# Altium PCB WAB_1x4_PCB.PcbDoc (part 4 of 5)
Units mil, origin at the board's own origin, x right, y up, seen from the top; angles counter-clockwise.
Board outline 13210.03 x 3810.03 mil, 12 copper layers (Top Layer, Ground Plane 1 (GND), Inner Layer 1, Ground Plane 2 (GND), Inner Layer 2, Power Plane (+3.3V), Power Plane (+12V), Inner Layer 3, Ground Plane 3 (GND), Inner Layer 4, Ground Plane 4 (GND), Bottom Layer), stack 82.8 mil thick; 113 components, 354 nets, 1682 pads, 1796 vias.
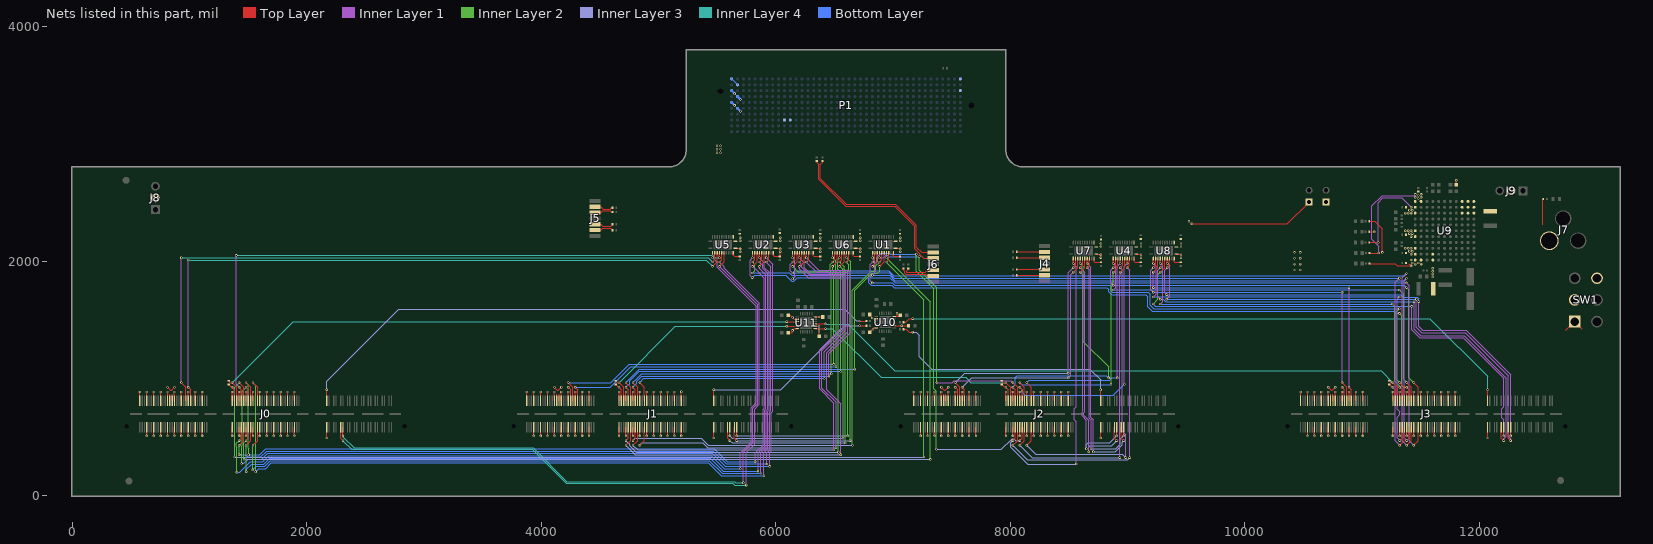
[diagram p14: the nets of this part, all layers, seen from the top]

## Via types
v1: diameter 20, hole 10, Top Layer to Bottom Layer, tented both sides, 1766 vias
v2: diameter 250, hole 125, Top Layer to Bottom Layer, 20 vias
v3: diameter 57.09, hole 53.15, Top Layer to Bottom Layer, 6 vias
v4: diameter 20, hole 10, Top Layer to Bottom Layer, tented bottom, 2 vias
v5: diameter 140, hole 106.3, Top Layer to Bottom Layer, 2 vias

## Nets (pads, with @x,y where several pads share a name; then routed paths per layer and width w, separated by ;. In a path a pad name is that pad's centre, name@x,y a point inside that pad or via, vN(x,y) a via of type N, cw(c..) or ccw(c..) an arc to the next point about the centre after c; other vN are vias at no path point) (continued)
Q0_LED_3: J0.30 U5.19 | length 5823.9
  Top Layer w4.71: v1(2309.45,510) J0.30@2309.45,585.25 ; v1(5520.47,1955.83) 5559.84,1995.2 U5.19@5559.84,2072.09
  Inner Layer 1 w4.16: v1(5520.47,1955.83) 5846.76,1629.54 5846.76,785.95 5805.46,744.64 5805.46,450.46 5725,370 v1(5725,110)
  Inner Layer 4 w4.16: v1(2309.45,510) 2309.45,504.9 2404.35,410 3931.21,410 4220.37,120.85 5650,120.85 5650,120 5660,110 v1(5725,110)
Q0_LED_4: J0.32 U5.18 | length 5898.6
  Top Layer w4.71: J0.32@2289.76,585.25 2289.76,489.69 v1(2309.45,470) ; v1(5520.47,1992.91) 5540.16,2012.6 U5.18@5540.16,2072.09
  Inner Layer 1 w4.16: v1(5520.47,1992.91) 5562.45,1950.94 5562.45,1938.75 5860.91,1640.28 5860.91,780.08 5819.61,738.78 5819.61,439.61 5750,370 v1(5750,90)
  Inner Layer 4 w4.16: v1(2309.45,470) 2384.45,395 3925,395 4214.16,105.85 5635,105.85 5650.85,90 v1(5750,90)
Q0_PLLCLK: C42.2 J0.39 | length 5064
  Top Layer w4.71: J0.39@2171.65,810.75 v1(2171.65,903.35) ; v1(6715,1490) C42.2@6774.25,1490
  Inner Layer 3 w4.16: v1(2171.65,903.35) 2171.65,976.65 2785,1590 6590.85,1590 6687.93,1492.92 6712.08,1492.92 v1(6715,1490)
Q0_PLLCLK_OUT: J0.40 | length 92.6
  Top Layer w4.71: v1(2171.65,492.65) J0.40@2171.65,585.25
Q0_RX_CLK: J0.95 R1.1 U11.3 | length 5241.4
  Top Layer w4.71: R1.1@1334.25,980.75 1350,965 v1(1364.57,965) 1403.94,925.63 J0.95@1403.94,810.75 ; v1(6095,1485) 6095.16,1484.84 U11.3@6183.13,1484.84
  Inner Layer 4 w4.16: v1(1364.57,965) 1884.57,1485 v1(6095,1485)
Q0_RX_CLK_AUX: J0.97 R1.2 | length 162.8
  Top Layer w4.71: R1.2@1334.25,949.25 1358.5,925 v1(1364.57,925) 1384.25,905.32 J0.97@1384.25,810.75
Q0_RX_EN: J0.77 U2.17 | length 7307.7
  Top Layer w4.71: v1(1541.73,965) 1581.1,925.63 J0.77@1581.1,810.75 ; v1(5861.9,2030) U2.17@5861.9,2072.09
  Inner Layer 1 w4.16: v1(5861.9,2030) 5903.88,1988.02 5903.88,1946.12 5945.85,1904.16 5945.85,730.03 5934.61,718.8 5934.61,399.61 5900,365 v1(5900,170)
  Inner Layer 2 w4.16: v1(1541.73,965) 1565,941.73 v1(1565,205)
  Bottom Layer w4.71: v1(1565,205) 1590,230 1650,230 1700,280 5426.86,280 5536.86,170 v1(5900,170)
Q0_SPI_CLK: J0.90 U2.21 | length 6667.5
  Top Layer w4.71: v1(1423.62,430) 1462.99,469.37 J0.90@1462.99,585.25 ; v1(5920.96,1992.91) 5940.64,2012.6 U2.21@5940.64,2072.09
  Inner Layer 1 w4.16: v1(5920.96,1992.91) 5960,1953.87 5960,724.17 5948.77,712.94 5948.77,388.77 5925,365 v1(5925,270.64)
  Inner Layer 2 w4.16: v1(1423.62,350) v1(1423.62,430)
  Bottom Layer w4.71: v1(1423.62,350) 1477.62,350 1496.98,330.64 1608.02,330.64 1658.02,380.64 5468.55,380.64 5578.55,270.64 v1(5925,270.64)
Q0_SPI_FSS: J0.84 U2.19 | length 6796.8
  Top Layer w4.71: v1(1482.68,430) 1522.05,469.37 J0.84@1522.05,585.25 ; v1(5861.9,1955.83) 5901.27,1995.2 U2.19@5901.27,2072.09
  Inner Layer 1 w4.16: v1(5850,210) 5850,365 5906.3,421.3 5906.3,730.53 5917.53,741.76 5917.53,1885 5861.9,1940.63 v1(5861.9,1955.83)
  Inner Layer 2 w4.16: v1(1482.68,430) 1485,427.68 v1(1485,205)
  Bottom Layer w4.71: v1(1485,205) 1485,225 1530,270 1633.14,270 1683.14,320 5443.43,320 5553.43,210 v1(5850,210)
Q0_SPI_RX: J0.86 U1.20 | length 8063
  Top Layer w4.71: v1(1482.68,470) 1502.36,489.69 J0.86@1502.36,585.25 ; v1(6945.24,2030) U1.20@6945.24,2072.09
  Inner Layer 2 w4.16: v1(1465,310) 1465,452.32 v1(1482.68,470) ; v1(6945.24,2030) 7320,1655.24 v1(7320,310)
  Inner Layer 3 w4.16: v1(1465,310) v1(7320,310)
Q0_SPI_SEL: J0.92 U5.14 | length 6854.6
  Top Layer w4.71: v1(1423.62,470) 1443.31,489.69 J0.92@1443.31,585.25 ; v1(5461.42,2030) U5.14@5461.42,2072.09
  Inner Layer 1 w4.16: v1(5461.42,2030) 5500,1991.42 5500,1950 5832.61,1617.39 5832.61,791.81 5791.3,750.51 5791.3,456.32 5710.85,375.86 5700,365 v1(5700,230)
  Inner Layer 2 w4.16: v1(1405,200) 1405,415 1400,420 1400,446.38 v1(1423.62,470)
  Bottom Layer w4.71: v1(1405,200) 1430,200 1520,290 1624.85,290 1674.85,340 5451.72,340 5561.72,230 v1(5700,230)
Q0_SPI_TX: J0.85 U2.20 | length 7228.6
  Top Layer w4.71: v1(1482.68,925) 1502.36,905.32 J0.85@1502.36,810.75 ; v1(5920.96,2030) U2.20@5920.96,2072.09
  Inner Layer 1 w4.16: v1(5920.96,2030) 5975,1975.96 5975,719.15 5962.92,707.07 5962.92,377.92 5950,365 v1(5950,250)
  Inner Layer 2 w4.16: v1(1445,275) 1445,420 1450,425 1450,892.32 v1(1482.68,925)
  Bottom Layer w4.71: v1(1445,275) 1465,275 1500,310 1616.57,310 1666.57,360 5460,360 5570,250 v1(5950,250)
Q0_TRX_RESET: J0.83 U2.16 | length 7053.6
  Top Layer w4.71: v1(1482.68,965) 1522.05,925.63 J0.83@1522.05,810.75 ; v1(5802.85,1955.83) 5842.22,1995.2 U2.16@5842.22,2072.09
  Inner Layer 1 w4.16: v1(5802.85,1955.83) 5903.38,1855.29 5903.38,747.62 5892.15,736.39 5892.15,432.15 5825,365 v1(5825,290)
  Inner Layer 2 w4.16: v1(1482.68,965) 1499.76,947.92 1499.76,405.24 1505,400 v1(1505,350)
  Bottom Layer w4.71: v1(1505,350) 1600,350 1650,400 5476.57,400 5586.57,290 v1(5825,290)
Q0_TX_EN: J0.78 U2.18 | length 6738.6
  Top Layer w4.71: v1(1541.73,430) 1581.1,469.37 J0.78@1581.1,585.25 ; v1(5861.9,1992.91) 5881.59,2012.6 U2.18@5881.59,2072.09
  Inner Layer 1 w4.16: v1(5861.9,1992.91) 5889.72,1965.09 5889.72,1940.26 5931.69,1898.29 5931.69,735.9 5920.46,724.66 5920.46,410.46 5875,365 v1(5875,190)
  Inner Layer 2 w4.16: v1(1540,220) 1540,428.27 v1(1541.73,430)
  Bottom Layer w4.71: v1(1540,220) 1571.71,251.71 1641.71,251.71 1690,300 5435.15,300 5545.15,190 v1(5875,190)
Q0_UART_RX: J0.91 U5.17 | length 5428
  Top Layer w4.71: v1(1423.62,925) 1443.31,905.32 J0.91@1443.31,810.75 ; v1(5520.47,2030) U5.17@5520.47,2072.09
  Inner Layer 1 w4.16: v1(1400,2050) 1400,948.62 v1(1423.62,925)
  Inner Layer 4 w4.16: v1(1400,2050) 5465.57,2050 5485.57,2030 v1(5520.47,2030)
Q0_UART_TX: J0.89 U1.21 | length 8584.2
  Top Layer w4.71: v1(1423.62,965) 1462.99,925.63 J0.89@1462.99,810.75 ; v1(6945.24,1992.91) 6964.93,2012.6 U1.21@6964.93,2072.09
  Inner Layer 2 w4.16: v1(1385,330) 1385,926.38 v1(1423.62,965) ; v1(6945.24,1992.91) 7265,1673.16 v1(7265,330)
  Inner Layer 3 w4.16: v1(1385,330) v1(7265,330)
Q0_UC_NMI: J0.119 U5.15 | length 5868.2
  Top Layer w4.71: v1(931.5,965) 970.87,925.63 J0.119@970.87,810.75 ; v1(5461.42,1992.91) 5481.1,2012.6 U5.15@5481.1,2072.09
  Inner Layer 1 w4.16: v1(931.5,965) v1(931.5,2030)
  Inner Layer 4 w4.16: v1(931.5,2030) 5424.33,2030 v1(5461.42,1992.91)
Q0_UC_SW_TX: J0.115 U5.16 | length 5833.3
  Top Layer w4.71: v1(990.55,925) 1010.24,905.31 J0.115@1010.24,810.75 ; v1(5461.42,1955.83) 5500.79,1995.2 U5.16@5500.79,2072.09
  Inner Layer 1 w4.16: v1(990.55,925) v1(990.55,2010)
  Inner Layer 4 w4.16: v1(990.55,2010) 5407.24,2010 v1(5461.42,1955.83)
Q1_CTRL_SEL: J1.121 | length 122.4
  Top Layer w4.71: v1(4231.5,925) 4251.18,905.31 J1.121@4251.18,810.75
Q1_LED_1: J1.26 U6.21 | length 2604.9
  Top Layer w4.71: v1(5668.51,510) J1.26@5668.5,585.25 ; v1(6603.81,1992.91) 6623.5,2012.6 U6.21@6623.5,2072.09
  Inner Layer 2 w4.16: v1(6603.81,1992.91) 6625,1971.73 6625,1930 6615,1920 v1(6615,510)
  Inner Layer 3 w4.16: v1(5668.51,510) v1(6615,510)
Q1_LED_2: J1.28 U6.20 | length 2708.3
  Top Layer w4.71: J1.28@5648.82,585.25 5648.82,489.69 v1(5668.51,470) ; v1(6603.81,2030) U6.20@6603.81,2072.09
  Inner Layer 2 w4.16: v1(6603.81,2030) 6639.16,1994.66 6639.16,1914.16 6635,1910 v1(6635,470)
  Inner Layer 3 w4.16: v1(5668.51,470) v1(6635,470)
Q1_LED_3: J1.30 U6.19 | length 2660.2
  Top Layer w4.71: v1(5609.45,510) J1.30@5609.45,585.25 ; v1(6544.76,1955.83) 6584.13,1995.2 U6.19@6584.13,2072.09
  Inner Layer 2 w4.16: v1(6544.76,1955.83) 6570.85,1929.74 6570.85,1914.98 6575.41,1910.41 v1@6575.41,490
  Inner Layer 3 w4.16: v1(5609.45,510) 5629.45,490 v1(6575,490)
Q1_LED_4: J1.32 U6.18 | length 2768.3
  Top Layer w4.71: J1.32@5589.76,585.25 5589.76,489.69 v1(5609.45,470) ; v1(6544.76,1992.91) 6564.44,2012.6 U6.18@6564.44,2072.09
  Inner Layer 2 w4.16: v1(6544.76,1992.91) 6585,1952.67 6585,1930 6595,1920 v1(6595,450)
  Inner Layer 3 w4.16: v1(5609.45,470) 5629.45,450 v1(6595,450)
Q1_PLLCLK: C43.2 J1.39 | length 1621.6
  Top Layer w4.71: J1.39@5471.65,810.75 v1(5471.65,903.35) ; v1(6715,1450) C43.2@6774.25,1450
  Inner Layer 3 w4.16: v1(5471.65,903.35) 6043.35,903.35 6590,1450 v1(6715,1450)
Q1_PLLCLK_OUT: J1.40 | length 92.6
  Top Layer w4.71: v1(5471.65,492.65) J1.40@5471.65,585.25
Q1_RX_CLK: J1.95 R2.1 U11.5 | length 1923.6
  Top Layer w4.71: R2.1@4635,980.75 4650.75,965 v1(4664.57,965) 4703.94,925.63 J1.95@4703.94,810.75 ; v1@6095.47,1445.47 U11.5@6183.13,1445.47
  Inner Layer 4 w4.16: v1(4664.57,965) 5144.57,1445 v1(6095,1445)
Q1_RX_CLK_AUX: J1.97 R2.2 | length 162
  Top Layer w4.71: R2.2@4635,949.25 4659.25,925 v1(4664.57,925) 4684.25,905.32 J1.97@4684.25,810.75
Q1_RX_EN: J1.77 U3.17 | length 3234.2
  Top Layer w4.71: v1(4841.73,965) 4881.1,925.63 J1.77@4881.1,810.75 ; v1(6203.33,2030) U3.17@6203.33,2072.09
  Inner Layer 1 w4.16: v1(6203.33,2030) 6245.31,1988.02 6245.31,1944.69 6300,1890 6585,1890 6595,1880 6595,1406.57 6415,1226.57 v1(6415,1000)
  Bottom Layer w4.71: v1(4841.73,965) 4876.73,1000 v1(6415,1000)
Q1_SPI_CLK: J1.90 U3.21 | length 4185.8
  Top Layer w4.71: v1(4723.62,430) 4762.99,469.37 J1.90@4762.99,585.25 ; v1(6262.38,1992.91) 6282.07,2012.6 U3.21@6282.07,2072.09
  Inner Layer 1 w4.16: v1(6262.38,1992.91) 6350.3,1905 6605,1905 6615,1895 6615,1398.28 6435,1218.28 6435,905 6555,785 v1(6555,350)
  Inner Layer 3 w4.16: v1(4723.62,430) 4803.62,350 v1(6555,350)
Q1_SPI_FSS: J1.84 U3.19 | length 4021.1
  Top Layer w4.71: v1(4782.68,430) 4822.05,469.37 J1.84@4822.05,585.25 ; v1(6203.33,1955.83) 6242.7,1995.2 U3.19@6242.7,2072.09
  Inner Layer 1 w4.16: v1(6203.33,1955.83) 6203.33,1936.67 6280,1860 6540,1860 6555,1845 6555,1423.14 6375,1243.14 6375,910.15 6495,790.15 v1(6495,390)
  Inner Layer 3 w4.16: v1(4782.68,430) 4822.68,390 v1(6495,390)
Q1_SPI_RX: J1.86 U1.18 | length 3794.2
  Top Layer w4.71: v1(4782.68,470) 4802.36,489.69 J1.86@4802.36,585.25 ; v1(6886.19,1992.91) 6905.87,2012.6 U1.18@6905.87,2072.09
  Inner Layer 2 w4.16: v1(6655,430) 6655,1754.17 6815.83,1915 6848.77,1915 6855,1921.23 6855,1961.73 v1(6886.19,1992.91)
  Inner Layer 3 w4.16: v1(4782.68,470) 4802.68,490 5365,490 5425,430 v1(6655,430)
Q1_SPI_SEL: J1.92 U6.14 | length 3706.7
  Top Layer w4.71: v1(4723.62,470) 4743.31,489.69 J1.92@4743.31,585.25 ; v1(6485.7,2030) U6.14@6485.7,2072.09
  Inner Layer 2 w4.16: v1(6485.7,2030) 6513.53,2002.18 6513.53,1916.47 6535,1895 v1(6535,370)
  Inner Layer 3 w4.16: v1(4723.62,470) 4755,438.62 4755,425 4810,370 v1(6535,370)
Q1_SPI_TX: J1.85 U3.20 | length 3273.4
  Top Layer w4.71: v1(4782.68,925) 4802.36,905.32 J1.85@4802.36,810.75 ; v1(6262.38,2030) U3.20@6262.38,2072.09
  Inner Layer 1 w4.16: v1(6262.38,2030) 6367.38,1925 6620,1925 6635,1910 6635,1390 6455,1210 v1(6455,1020)
  Bottom Layer w4.71: v1(4782.68,925) 4815,957.32 4815,975 4860,1020 v1(6455,1020)
Q1_TRX_RESET: J1.83 U3.16 | length 3231.6
  Top Layer w4.71: v1(4782.68,965) 4822.05,925.63 J1.83@4822.05,810.75 ; v1(6144.27,1955.83) 6183.64,1995.2 U3.16@6183.64,2072.09
  Inner Layer 2 w4.16: v1(6144.27,1955.83) 6190.1,1910 6449.98,1910 6475,1884.98 v1(6475,1040)
  Bottom Layer w4.71: v1(4782.68,965) 4857.68,1040 v1(6475,1040)
Q1_TX_EN: J1.78 U3.18 | length 3976.3
  Top Layer w4.71: v1(4841.73,430) 4881.1,469.37 J1.78@4881.1,585.25 ; v1(6203.33,1992.91) 6223.01,2012.6 U3.18@6223.01,2072.09
  Inner Layer 1 w4.16: v1(6203.33,1992.91) 6223.24,1973 6223.24,1946.74 6294.98,1875 6565,1875 6575,1865 6575,1414.85 6395,1234.85 6395,918.43 6515,798.43 v1(6515,410)
  Inner Layer 3 w4.16: v1(4841.73,430) 4861.73,450 5380,450 5420,410 v1(6515,410)
Q1_UART_RX: J1.91 U6.17 | length 3054
  Top Layer w4.71: v1(4723.62,925) 4743.31,905.32 J1.91@4743.31,810.75 ; v1(6544.76,2030) U6.17@6544.76,2072.09
  Inner Layer 2 w4.16: v1(6544.76,2030) 6527.68,2012.92 6527.68,1932.32 6555,1905 v1(6555,1060)
  Bottom Layer w4.71: v1(4723.62,925) 4753.62,955 4753.62,978.62 4835,1060 v1(6555,1060)
Q1_UART_TX: J1.89 U1.19 | length 3294.3
  Top Layer w4.71: v1(4723.62,965) 4762.99,925.63 J1.89@4762.99,810.75 ; v1(6886.19,1955.83) 6925.56,1995.2 U1.19@6925.56,2072.09
  Inner Layer 2 w4.16: v1(6675,1080) 6675,1754.15 6817.93,1897.08 6867.08,1897.08 6886.19,1916.19 v1(6886.19,1955.83)
  Bottom Layer w4.71: v1(4723.62,965) 4723.62,965.19 4838.43,1080 v1(6675,1080)
Q1_UC_NMI: J1.119 U6.15 | length 3479.5
  Top Layer w4.71: v1(4231.5,965) 4270.87,925.63 J1.119@4270.87,810.75 ; v1(6485.7,1992.91) 6505.39,2012.6 U6.15@6505.39,2072.09
  Inner Layer 2 w4.16: v1(6485.7,1992.91) 6465,1972.21 6465,1915 6495,1885 v1(6495,1120)
  Bottom Layer w4.71: v1(4231.5,965) 4595,965 4750,1120 v1(6495,1120)
Q1_UC_SW_TX: J1.115 U6.16 | length 3419.9
  Top Layer w4.71: v1(4290.55,925) 4310.24,905.31 J1.115@4310.24,810.75 ; v1(6485.7,1955.83) 6525.07,1995.2 U6.16@6525.07,2072.09
  Inner Layer 2 w4.16: v1(6485.7,1955.83) 6485.7,1919.3 6515,1890 v1(6515,1100)
  Bottom Layer w4.71: v1(4290.55,925) 4590,925 4765,1100 v1(6515,1100)
Q2_CTRL_SEL: J2.121 | length 122.4
  Top Layer w4.71: v1(7531.5,925) 7551.18,905.31 J2.121@7551.18,810.75
Q2_LED_1: J2.26 U7.21 | length 2068.6
  Top Layer w4.71: v1(8656.51,1943.74) 8676.2,1963.43 U7.21@8676.2,2022.91 ; v1(8968.51,510) J2.26@8968.5,585.25
  Inner Layer 1 w4.16: v1(8656.51,1943.74) 8675,1925.25 8675,661.58 8690,646.58 8690,641.58 v1(8690,400)
  Inner Layer 3 w4.16: v1(8690,400) 8900,400 8940,440 8940,481.49 v1(8968.51,510)
Q2_LED_2: J2.28 U7.20 | length 2103.9
  Top Layer w4.71: v1(8656.51,1980.83) U7.20@8656.51,2022.91 ; J2.28@8948.82,585.25 8948.82,489.69 v1(8968.51,470)
  Inner Layer 1 w4.16: v1(8656.51,1980.83) 8689.16,1948.18 8689.16,667.44 8710,646.6 v1(8710,375)
  Inner Layer 3 w4.16: v1(8710,375) 8895.02,375 8954.16,434.14 8954.16,455.65 v1(8968.51,470)
Q2_LED_3: J2.30 U7.19 | length 2067.6
  Top Layer w4.71: v1(8597.46,1906.65) 8636.83,1946.02 U7.19@8636.83,2022.91 ; v1(8909.45,510) J2.30@8909.45,585.25
  Inner Layer 1 w4.16: v1(8597.46,1906.65) 8620.84,1883.27 8620.84,720.01 8613.77,712.94 8613.77,679.98 8650,643.75 v1(8650,400)
  Inner Layer 3 w4.16: v1(8650,400) 8650,435 8665,450 8849.45,450 v1(8909.45,510)
Q2_LED_4: J2.32 U7.18 | length 2117.6
  Top Layer w4.71: v1(8597.46,1943.74) 8617.14,1963.43 U7.18@8617.14,2022.91 ; J2.32@8889.76,585.25 8889.76,489.69 v1(8909.45,470)
  Inner Layer 1 w4.16: v1(8597.46,1943.74) 8635,1906.2 8635,714.15 8627.92,707.07 8627.92,687.08 8670,645 8670,640 v1(8670,375)
  Inner Layer 3 w4.16: v1(8670,375) 8670,415 8680,425 8864.45,425 v1(8909.45,470)
Q2_PLLCLK: C44.2 J2.39 | length 2145.7
  Top Layer w4.71: C44.2@7090.75,1420 7115,1420 7140,1395 v4(7167.98,1395) ; J2.39@8771.65,810.75 v1(8771.65,903.35)
  Inner Layer 3 w4.16: v4(7167.98,1395) 7200,1395 7225,1370 7225,1185 7330,1080 8680,1080 8771.65,988.35 v1(8771.65,903.35)
Q2_PLLCLK_OUT: J2.40 | length 92.6
  Top Layer w4.71: v1(8771.65,492.65) J2.40@8771.65,585.25
Q2_RX_CLK: J2.95 R3.1 U11.13 | length 2030.1
  Top Layer w4.71: U11.13@6336.87,1425.79 v1@6424.21,1425.79 ; R3.1@7929.25,980.75 7945,965 v1(7964.57,965) 8003.94,925.63 J2.95@8003.94,810.75
  Inner Layer 4 w4.16: v1(6424.84,1425.16) 6484.84,1425.16 6900,1010 7620,1010 7665,965 v1(7964.57,965)
Q2_RX_CLK_AUX: J2.97 R3.2 | length 167.8
  Top Layer w4.71: R3.2@7929.25,949.25 7953.5,925 v1(7964.57,925) 7984.25,905.32 J2.97@7984.25,810.75
Q2_RX_EN: J2.77 U4.17 | length 1987.7
  Top Layer w4.71: v1(8141.73,965) 8181.1,925.63 J2.77@8181.1,810.75 ; v1(8938.89,1980.83) U4.17@8938.89,2022.91
  Inner Layer 1 w4.16: v1(8914.16,1005) 8914.16,1956.1 v1(8938.89,1980.83)
  Bottom Layer w4.71: v1(8141.73,965) 8162.38,985.64 8848.02,985.64 8867.38,1005 v1(8914.16,1005)
Q2_SPI_CLK: J2.90 U4.21 | length 2940.8
  Top Layer w4.71: v1(8023.62,430) 8062.99,469.37 J2.90@8062.99,585.25 ; v1(8997.94,1943.74) 9017.63,1963.43 U4.21@9017.63,2022.91
  Inner Layer 1 w4.16: v1(8997.94,1943.74) 9020,1921.68 v1(9020,325)
  Inner Layer 3 w4.16: v1(8023.62,430) 8145.7,307.92 9002.92,307.92 v1(9020,325)
Q2_SPI_FSS: J2.84 U4.19 | length 2785.5
  Top Layer w4.71: v1(8082.68,430) 8122.05,469.37 J2.84@8122.05,585.25 ; v1(8938.89,1906.65) 8978.26,1946.02 U4.19@8978.26,2022.91
  Inner Layer 1 w4.16: v1(8935,325) 8935,1880 8938.89,1883.89 v1(8938.89,1906.65) v1@8937.27,1905.04
  Inner Layer 3 w4.16: v1(8082.68,430) 8187.68,325 v1(8935,325)
Q2_SPI_RX: J2.86 U1.16 | length 3195.7
  Top Layer w4.71: v1(6827.13,1955.83) 6866.5,1995.2 U1.16@6866.5,2072.09 ; v1(8082.68,470) 8102.36,489.69 J2.86@8102.36,585.25
  Inner Layer 2 w4.16: v1(7200,2060) 7200,1915 7350,1765 7350,913.48 7371.41,892.07 v1(7371.41,396.41)
  Inner Layer 3 w4.16: v1(7371.41,396.41) 7925.88,396.41 8016.55,487.08 8030.7,487.08 8047.77,470 v1(8082.68,470)
  Bottom Layer w4.71: v1(6827.13,1955.83) 6866.83,1995.52 6866.83,2038.02 6898.81,2070 6965.75,2070 6975.75,2060 v1(7200,2060)
Q2_SPI_SEL: J2.92 U7.14 | length 2584.3
  Top Layer w4.71: v1(8023.62,470) 8043.31,489.69 J2.92@8043.31,585.25 ; v1(8538.4,1980.83) U7.14@8538.4,2022.91
  Inner Layer 1 w4.16: v1(8538.4,1980.83) 8565,1954.23 8565,759.15 8547.92,742.07 8547.92,647.92 8565,630.85 v1(8565,270)
  Inner Layer 3 w4.16: v1(8023.62,470) 8005,451.38 8005,415 8150,270 v1(8565,270)
Q2_SPI_TX: J2.85 U4.20 | length 2178.8
  Top Layer w4.71: v1(8082.68,925) 8102.36,905.32 J2.85@8102.36,810.75 ; v1(8997.94,1980.83) U4.20@8997.94,2022.91
  Inner Layer 1 w4.16: v1(8975.12,950) 8975.12,1958 v1(8997.94,1980.83)
  Bottom Layer w4.71: v1(8082.68,925) 8082.68,923.71 8102.04,904.36 8102.04,882.96 8130,855 8880.12,855 v1(8975.12,950)
Q2_TRX_RESET: J2.83 U4.16 | length 2051
  Top Layer w4.71: v1(8082.68,965) 8122.05,925.63 J2.83@8122.05,810.75 ; v1(8879.83,1906.65) 8919.2,1946.02 U4.16@8919.2,2022.91
  Inner Layer 2 w4.16: v1@8862.92,952.92 8862.92,1802.07 8879.83,1818.98 v1(8879.83,1906.65)
  Bottom Layer w4.71: v1(8082.68,965) 8102.04,945.64 8855.64,945.64 v1(8860,950)
Q2_TX_EN: J2.78 U4.18 | length 2784.3
  Top Layer w4.71: v1(8141.73,430) 8181.1,469.37 J2.78@8181.1,585.25 ; v1(8938.89,1943.74) 8958.57,1963.43 U4.18@8958.57,2022.91
  Inner Layer 1 w4.16: v1(8938.89,1943.74) 8955.96,1926.66 8955.96,549.04 8985.58,519.42 v1(8985.58,325)
  Inner Layer 3 w4.16: v1(8141.73,430) 8216.73,355 8955.58,355 v1(8985.58,325)
Q2_UART_RX: J2.91 U7.17 | length 2144.1
  Top Layer w4.71: v1(8023.62,925) 8043.31,905.32 J2.91@8043.31,810.75 ; v1(8597.46,1980.83) U7.17@8597.46,2022.91
  Inner Layer 2 w4.16: v1(8597.46,1980.83) 8625,1953.28 8625,1315 8840,1100 v1(8840,1005)
  Bottom Layer w4.71: v1(8023.62,925) 8045,946.38 8045,1010 8060,1025 8820,1025 v1(8840,1005)
Q2_UART_TX: J2.89 U1.17 | length 2363.3
  Top Layer w4.71: v1(6886.19,2030) U1.17@6886.19,2072.09 ; v1(8023.62,965) 8062.99,925.63 J2.89@8062.99,810.75
  Inner Layer 1 w4.16: v1(7375,965) 7507.35,965 7524.42,982.08 8006.55,982.08 v1(8023.62,965)
  Inner Layer 2 w4.16: v1(7225,2040) 7225,1925 7375,1775 v1(7375,965)
  Bottom Layer w4.71: v1(6886.19,2030) 6917.87,2030 6937.22,2049.36 6953.26,2049.36 6962.62,2040 v1(7225,2040)
Q2_UC_NMI: J2.119 U7.15 | length 2171.2
  Top Layer w4.71: v1(7531.5,965) 7570.87,925.63 J2.119@7570.87,810.75 ; v1(8538.4,1943.74) 8558.09,1963.43 U7.15@8558.09,2022.91
  Inner Layer 1 w4.16: v1(8495,1045) 8495,1900.34 v1(8538.4,1943.74)
  Inner Layer 3 w4.16: v1(7531.5,965) 7611.5,1045 v1(8495,1045)
Q2_UC_SW_TX: J2.115 U7.16 | length 2112.2
  Top Layer w4.71: v1(7590.55,925) 7610.24,905.31 J2.115@7610.24,810.75 ; v1(8538.4,1906.65) 8577.77,1946.02 U7.16@8577.77,2022.91
  Inner Layer 1 w4.16: v1(8495,1005) 8515,1025 8515,1883.25 v1(8538.4,1906.65)
  Inner Layer 3 w4.16: v1(7590.55,925) 7670.55,1005 v1(8495,1005)
Q3_CTRL_SEL: J3.121 | length 122.4
  Top Layer w4.71: v1(10831.5,925) 10851.18,905.31 J3.121@10851.18,810.75
Q3_LED_1: J3.26 U8.21 | length 4282.7
  Top Layer w4.71: v1(9339.37,1943.74) 9359.06,1963.43 U8.21@9359.06,2022.91 ; v1(12268.51,510) J3.26@12268.5,585.25
  Inner Layer 1 w4.16: v1(9335,1715) 9320,1730 9320,1924.37 v1(9339.37,1943.74) ; v1(11485,1655) 11485,1445 11520,1410 11890,1410 12268.51,1031.49 v1(12268.51,510)
  Bottom Layer w4.71: v1(9335,1715) 11330,1715 11350.64,1694.36 11473.02,1694.36 11484.36,1683.02 11484.36,1655.64 v1(11485,1655)
Q3_LED_2: J3.28 U8.20 | length 4374.8
  Top Layer w4.71: v1(9339.37,1980.83) U8.20@9339.37,2022.91 ; J3.28@12248.82,585.25 12248.82,489.69 v1(12268.51,470)
  Inner Layer 1 w4.16: v1(9335,1675) 9360,1700 9360,1960.2 v1(9339.37,1980.83) ; v1(11465,1675) 11465,1435 11511.21,1388.79 11881.21,1388.79 12246.23,1023.77 12246.23,508.12 12268.51,485.85 v1(12268.51,470)
  Bottom Layer w4.71: v1(9335,1675) v1(11465,1675)
Q3_LED_3: J3.30 U8.19 | length 4377.8
  Top Layer w4.71: v1(9280.31,1906.65) 9319.68,1946.02 U8.19@9319.68,2022.91 ; v1(12209.45,510) J3.30@12209.45,585.25
  Inner Layer 1 w4.16: v1(11425,1615) 11425,1415 11493.64,1346.36 11863.64,1346.36 12209.45,1000.55 12209.45,758.6 12192.92,742.07 12192.92,662.93 12209.45,646.4 v1(12209.45,510)
  Inner Layer 2 w4.16: v1(9220,1635) 9260,1675 9260,1886.34 v1(9280.31,1906.65)
  Bottom Layer w4.71: v1(9220,1635) 9239.36,1615.64 v1@11425,1615.64
Q3_LED_4: J3.32 U8.18 | length 4407
  Top Layer w4.71: v1(9280.31,1943.74) 9300,1963.43 U8.18@9300,2022.91 ; J3.32@12189.76,585.25 12189.76,489.69 v1(12209.45,470)
  Inner Layer 1 w4.16: v1(9280,1675) 9260,1695 9260,1923.43 v1(9280.31,1943.74) ; v1@11445,1655.64 11445,1420 11500.96,1364.04 11870.96,1364.04 12232.08,1002.92 12232.08,508.48 12209.45,485.85 v1(12209.45,470)
  Bottom Layer w4.71: v1(9280,1675) 9307.62,1675 9326.98,1655.64 v1@11445,1655.64
  other v1: 11445,1655
Q3_PLLCLK: C45.2 J3.39 | length 5404.6
  Top Layer w4.71: C45.2@7090.75,1480 7110,1480 7140,1510 v4(7170,1510) ; J3.39@12071.65,810.75 v1(12071.65,903.35)
  Inner Layer 4 w4.16: v4(7170,1510) 11580,1510 12071.65,1018.35 v1(12071.65,903.35)
Q3_PLLCLK_OUT: J3.40 | length 92.6
  Top Layer w4.71: v1(12071.65,492.65) J3.40@12071.65,585.25
Q3_RX_CLK: J3.95 R4.1 U11.15 | length 5342.3
  Top Layer w4.71: U11.15@6336.87,1465.16 v1(6424.84,1465.16) ; R4.1@11234.25,980.75 11250,965 v1(11264.57,965) 11303.94,925.63 J3.95@11303.94,810.75
  Inner Layer 4 w4.16: v1(6424.84,1465.16) 6427.08,1462.92 6617.08,1462.92 7015,1065 11164.57,1065 v1(11264.57,965)
Q3_RX_CLK_AUX: J3.97 R4.2 | length 162.8
  Top Layer w4.71: R4.2@11234.25,949.25 11258.5,925 v1(11264.57,925) 11284.25,905.32 J3.97@11284.25,810.75
Q3_RX_EN: J3.77 U4.15 | length 3767
  Top Layer w4.71: v1(8879.83,1943.74) 8899.52,1963.43 U4.15@8899.52,2022.91 ; v1(11441.73,965) 11481.1,925.63 J3.77@11481.1,810.75
  Inner Layer 1 w4.16: v1(8879.83,1943.74) 8860,1923.91 8860,1815 v1(8880,1795)
  Inner Layer 2 w4.16: v1(11380,1775) 11400,1755 11400,1006.73 v1(11441.73,965)
  Bottom Layer w4.71: v1(8880,1795) 11360,1795 v1(11380,1775)
Q3_SPI_CLK: J3.90 U2.15 | length 7377.4
  Top Layer w4.71: v1(5802.85,1992.91) 5822.53,2012.6 U2.15@5822.53,2072.09 ; v1(11323.62,430) 11362.99,469.37 J3.90@11362.99,585.25
  Inner Layer 1 w4.16: v1(11320,1855) 11285,1820 11285,468.62 v1(11323.62,430)
  Inner Layer 2 w4.16: v1(5800,1900) 5820,1920 5820,1975.76 v1(5802.85,1992.91)
  Bottom Layer w4.71: v1(5800,1900) 6117.62,1900 6136.98,1880.64 6153.02,1880.64 6172.38,1900 6967.93,1900 7012.93,1855 v1(11320,1855)
Q3_SPI_FSS: J3.84 U3.15 | length 7132.9
  Top Layer w4.71: v1(6144.27,1992.91) 6163.96,2012.6 U3.15@6163.96,2072.09 ; v1(11382.68,430) 11422.05,469.37 J3.84@11422.05,585.25
  Inner Layer 1 w4.16: v1(6144.27,1992.91) 6125,1973.64 6125,1920 v1(6145,1900) ; v1(11380,1895) 11345,1860 11345,467.68 v1(11382.68,430)
  Bottom Layer w4.71: v1(6145,1900) 6165,1920 6964.5,1920 7008.92,1875.58 11360.58,1875.58 v1(11380,1895)
Q3_SPI_RX: J3.86 U1.14 | length 6315.1
  Top Layer w4.71: v1(6827.13,2030) U1.14@6827.13,2072.09 ; v1(11382.68,470) 11402.36,489.69 J3.86@11402.36,585.25
  Inner Layer 1 w4.16: v1(6825,1880) 6844.21,1899.21 6844.21,1999.99 6827.13,2017.06 v1(6827.13,2030) ; v1(11380,1855) 11360,1835 11360,492.68 v1(11382.68,470)
  Bottom Layer w4.71: v1(6825,1880) 6971.37,1880 7016.37,1835 11360,1835 v1(11380,1855)
Q3_SPI_SEL: J3.92 U8.14 | length 3832.9
  Top Layer w4.71: v1(9221.26,1980.83) U8.14@9221.26,2022.91 ; v1(11323.62,470) 11343.31,489.69 J3.92@11343.31,585.25
  Inner Layer 1 w4.16: v1(9220,1695) 9245,1720 9245,1957.09 v1(9221.26,1980.83) ; v1(11320,1695) 11300,1675 11300,739.15 11322.08,717.08 11322.08,692.93 11300,670.85 11300,493.62 v1(11323.62,470)
  Bottom Layer w4.71: v1(9220,1695) v1(11320,1695)
Q3_SPI_TX: J3.85 U2.14 | length 6788.3
  Top Layer w4.71: v1(5802.85,2030) U2.14@5802.85,2072.09 ; v1(11382.68,925) 11402.36,905.32 J3.85@11402.36,810.75
  Inner Layer 1 w4.16: v1(5800,1860) 5782.92,1877.08 5782.92,2010.08 v1(5802.85,2030)
  Inner Layer 2 w4.16: v1(11320,1555) 11342,1533 11342,943 11360,925 v1(11382.68,925)
  Bottom Layer w4.71: v1(5800,1860) 5820,1880 6087.62,1880 6136.98,1830.64 6153.02,1830.64 6182.38,1860 6785,1860 6795,1850 6795,1815 6815,1795 6990,1795 7010,1775 8825,1775 8840,1760 8840,1740 8865,1715 9155,1715 9175,1695 9175,1610 9210,1575 11275,1575 11295,1555 v1(11320,1555)
Q3_TRX_RESET: J3.83 U4.14 | length 3711.1
  Top Layer w4.71: v1(8879.83,1980.83) U4.14@8879.83,2022.91 ; v1(11382.68,965) 11422.05,925.63 J3.83@11422.05,810.75
  Inner Layer 1 w4.16: v1(8879.83,1980.83) 8900,1960.66 8900,1775 v1(8880,1755)
  Inner Layer 2 w4.16: v1(11320,1755) 11356.16,1718.84 11356.16,991.52 v1(11382.68,965)
  Bottom Layer w4.71: v1(8880,1755) v1(11320,1755)
Q3_TX_EN: J3.78 U3.14 | length 7095.4
  Top Layer w4.71: v1(6144.27,2030) U3.14@6144.27,2072.09 ; v1(11441.73,430) 11481.1,469.37 J3.78@11481.1,585.25
  Inner Layer 1 w4.16: v1(6144.27,2030) 6165,2009.27 6165,1870 v1(6145,1850) ; v1(11380,1815) 11405,1790 11405,466.73 v1(11441.73,430)
  Bottom Layer w4.71: v1(6145,1850) 6175,1880 6797.62,1880 6816.98,1860.64 6974.16,1860.64 7019.8,1815 v1(11380,1815)
Q3_UART_RX: J3.91 U8.17 | length 3243.1
  Top Layer w4.71: v1(9280.31,1980.83) U8.17@9280.31,2022.91 ; v1(11323.62,925) 11343.31,905.32 J3.91@11343.31,810.75
  Inner Layer 1 w4.16: v1(9280,1635) 9300,1655 9300,1961.14 v1(9280.31,1980.83)
  Inner Layer 2 w4.16: v1(11260,1635) 11280,1615 11280,975.36 11323.62,931.74 v1(11323.62,925)
  Bottom Layer w4.71: v1(9280,1635) v1(11260,1635)
Q3_UART_TX: J3.89 U1.15 | length 5768.2
  Top Layer w4.71: v1(6827.13,1992.91) 6846.82,2012.6 U1.15@6846.82,2072.09 ; v1(11323.62,965) 11362.99,925.63 J3.89@11362.99,810.75
  Inner Layer 1 w4.16: v1(6825,1815) 6807.92,1832.08 6807.92,1973.7 v1(6827.13,1992.91)
  Inner Layer 2 w4.16: v1(11320,1595) 11295,1570 11295,993.62 v1(11323.62,965)
  Bottom Layer w4.71: v1(6825,1815) 6995,1815 7015,1795 8850,1795 8860.64,1784.36 8860.64,1744.36 8870,1735 9180,1735 9195,1720 9195,1625 9225,1595 v1(11320,1595)
Q3_UC_NMI: J3.119 U8.15 | length 2865.2
  Top Layer w4.71: v1(9221.26,1943.74) 9240.94,1963.43 U8.15@9240.94,2022.91 ; v1(10831.5,965) 10870.87,925.63 J3.119@10870.87,810.75
  Inner Layer 1 w4.16: v1(9220,1735) 9200,1755 9200,1922.48 v1(9221.26,1943.74) ; v1(10831.5,965) v1(10831.5,1735)
  Bottom Layer w4.71: v1(9220,1735) v1(10831.5,1735)
Q3_UC_SW_TX: J3.115 U8.16 | length 2905.9
  Top Layer w4.71: v1(9221.26,1906.65) 9260.63,1946.02 U8.16@9260.63,2022.91 ; v1(10890.55,925) 10910.24,905.31 J3.115@10910.24,810.75
  Inner Layer 1 w4.16: v1(9221.26,1775) v1(9221.26,1906.65) ; v1(10890.55,925) v1(10890.55,1775)
  Bottom Layer w4.71: v1(9221.26,1775) v1(10890.55,1775)
SATA_A_RX_N: C20.1 J4.6 | length 238.6
  Top Layer w4.71: C20.1@8055.75,1880 J4.6@8294.37,1880
SATA_A_RX_P: C19.1 J4.5 | length 238.6
  Top Layer w4.71: C19.1@8055.75,1930 J4.5@8294.37,1930
SATA_A_TX_N: C18.1 J4.3 | length 238.6
  Top Layer w4.71: C18.1@8055.75,2030 J4.3@8294.37,2030
SATA_A_TX_P: C17.1 J4.2 | length 238.6
  Top Layer w4.71: C17.1@8055.75,2080 J4.2@8294.37,2080
SATA_B_RX_N: C24.1 J5.6 | length 164.5
  Top Layer w4.71: J5.6@4459.37,2265 4508.97,2265 4526.61,2282.64 4591.61,2282.64 C24.1@4609.25,2265
SATA_B_RX_P: C23.1 J5.5 | length 164.5
  Top Layer w4.71: J5.5@4459.37,2315 4508.97,2315 4526.61,2297.36 4591.61,2297.36 C23.1@4609.25,2315
SATA_B_TX_N: C22.1 J5.3 | length 160.4
  Top Layer w4.71: J5.3@4459.37,2415 4508.97,2415 4524.11,2430.14 4588.88,2430.14 4599.02,2420 C22.1@4609.25,2420
SATA_B_TX_P: C21.1 J5.2 | length 162.4
  Top Layer w4.71: J5.2@4459.37,2465 4508.97,2465 4529.11,2444.86 4588.88,2444.86 4599.02,2455 C21.1@4609.25,2455
SATA_C_RX_N: C28.1 J6.6 | length 297.2
  Top Layer w4.71: C28.1@7090,1939.25 7090,1929.02 7102.64,1916.38 7102.64,1898.9 7111.26,1890.28 7279.48,1890.28 7294.77,1875 J6.6@7344.37,1875
SATA_C_RX_P: C27.1 J6.5 | length 271
  Top Layer w4.71: C27.1@7130,1939.25 7130,1929.02 7120,1919.02 7120,1905 7274.77,1905 7294.77,1925 J6.5@7344.37,1925
SATA_C_TX_N: C26.1 J6.3 | length 1531.4
  Top Layer w4.71: C26.1@6350,2854.25 6350,2844.02 6367.64,2826.38 6367.64,2698.9 6596.26,2470.28 7014.72,2470.28 7185,2300 7185,2107.38 7265.02,2027.36 7342.01,2027.36 J6.3@7344.37,2025
SATA_C_TX_P: C25.1 J6.2 | length 1488.4
  Top Layer w4.71: C25.1@6400,2854.25 6400,2844.02 6382.36,2826.38 6382.36,2705 6602.36,2485 7020.81,2485 7199.72,2306.1 7199.72,2120.28 7245,2075 J6.2@7344.37,2075
SCL: P1.C30
SDA: P1.C31
VADJ: C1.1 C2.1 C3.1 C4.1 C5.1 C6.1 C7.1 C8.1 C54.2 C55.2 C56.2 C57.2 J0.131 J0.133 J1.131 J1.133 J2.131 J2.133 J3.131 J3.133 J12.1 P1.E39 P1.F40 P1.G39 P1.H40 U1.1 U2.1 U2.2 U3.1 U3.2 U4.1 U4.2 U5.1 U5.2 U6.1 U6.2 U7.1 U7.2 U8.1 U8.2 U11.2 U11.6 U11.14 U11.18 | length 2342.1
  Top Layer w10: v1(813.39,925) 838.39,900 847.44,900 v1(872.44,925) ; J0.133@833.07,810.75 833.07,865 ; J0.131@852.76,810.75 852.76,865 ; v1(4113.39,925) 4138.39,900 4147.44,900 v1(4172.44,925) ; J1.133@4133.07,810.75 4133.07,865 ; J1.131@4152.76,810.75 4152.76,865 ; C55.2@6107.56,1390 6140,1390 6140,1405 v1(6145,1410) 6159.79,1424.79 6159.79,1425.79 U11.6@6183.13,1425.79 ; C54.2@6107.56,1540 6125,1540 6160.47,1504.53 U11.2@6183.13,1504.53 ; U11.14@6336.87,1445.47 v1(6370,1445.47) ; U11.18@6336.87,1524.21 C56.2@6401.65,1524.21 ; C57.2@6370,1362.44 v1(6370,1400) ; v1(7413.39,925) 7438.39,900 7447.44,900 v1(7472.44,925) ; J2.133@7433.07,810.75 7433.07,865 ; J2.131@7452.76,810.75 7452.76,865 ; v1(9550,2320) 10365,2320 J12.1@10550,2505 ; v1(10713.39,925) 10738.39,900 10747.44,900 v1(10772.44,925) ; J3.133@10733.07,810.75 10733.07,865 ; J3.131@10752.76,810.75 10752.76,865
  Bottom Layer w10: v1(6370,1400) v1(6370,1445.47)
  Bottom Layer w20: P1.F40@5625,3354.53 v1@5650,3329.53 ; P1.H40@5625,3454.53 v1@5650,3429.53 ; P1.E39@5675,3304.53 v1(5700,3279.53) ; P1.G39@5675,3404.53 v1(5700,3379.53)
  other v1: 6145,1520 6369.26,1524.21 8774.13,2125.83 9115.56,2125.83 9456.99,2125.83 8774.13,2150.83 9115.56,2150.83 9456.99,2150.83 5697.14,2175 6038.57,2175 6380,2175 6721.43,2175 7062.86,2175 5697.14,2200 6038.57,2200 6380,2200 6721.43,2200 7062.86,2200 9525,2340 5500,2925 5530,2925 5500,2955 5530,2955 5500,2985 5530,2985 5650,3329 5650,3429
VCC_3P3_CARD: C9.1 C10.1 C11.1 C12.1 C13.1 C14.1 C15.1 C16.1 C34.2 C48.2 C49.2 C50.2 C51.2 J10.1 R11.2 SW1.6 U1.23 U1.24 U2.23 U2.24 U3.23 U3.24 U4.23 U4.24 U5.23 U5.24 U6.23 U6.24 U7.23 U7.24 U8.23 U8.24 U9.A10 U9.A11 U10.2 U10.6 U10.14 U10.18 | length 1768.4
  Top Layer w10: U5.23@5638.58,2072.09 5638.58,2051.42 5649.25,2040.75 C10.1@5695,2040.75 ; U5.24@5657.28,2110.47 v1@5691.67,2110.47 ; U2.23@5980.01,2072.09 5980.01,2050.01 5989.27,2040.75 C11.1@6035,2040.75 ; U2.24@5998.71,2110.47 6033.1,2110.47 v1(6038.57,2105) ; C11.1@6038.57,2044.32 v1(6038.57,2080) ; U3.23@6321.44,2072.09 6321.44,2048.56 6329.25,2040.75 C12.1@6380,2040.75 ; U3.24@6340.14,2110.47 6374.53,2110.47 v1(6380,2105) ; U6.23@6662.87,2072.09 6662.87,2047.13 6669.25,2040.75 C13.1@6720,2040.75 ; U6.24@6681.57,2110.47 6715.96,2110.47 v1(6721.43,2105) ; C48.2@6802.56,1395 6838.35,1430.79 U10.6@6858.13,1430.79 ; C49.2@6802.56,1545 6802.56,1537.44 v1(6825,1515) 6830.47,1509.53 U10.2@6858.13,1509.53 ; U1.23@7004.3,2072.09 7004.3,2045.7 7009.25,2040.75 C14.1@7060,2040.75 ; U10.14@7011.87,1450.47 C50.2@7131.97,1450.47 ; U10.18@7011.87,1529.21 7035,1529.21 ; U1.24@7023,2110.47 7057.38,2110.47 v1(7062.86,2105) ; v1(7035,1555) 7035,1529.21 ; C51.2@7062.44,1540 7051.65,1529.21 7035,1529.21 ; U7.23@8715.57,2022.91 8715.57,1994.43 8720,1990 8765,1990 ; U7.24@8734.27,2061.3 8768.66,2061.3 v1(8774.13,2055.83) ; U4.23@9057,2022.91 9057,1998 9063.43,1991.57 C16.1@9114.84,1991.57 ; U4.24@9075.7,2061.3 9110.08,2061.3 v1(9115.56,2055.83) ; U8.23@9398.43,2022.91 9398.43,1996.57 9403.43,1991.57 C9.1@9454.84,1991.57 ; U8.24@9417.13,2061.3 9451.51,2061.3 v1(9456.99,2055.83) ; R11.2@11065.75,1980 11283.89,1980 11300.89,1963 11417,1963 v1(11420,1960) 11400,1980
  other v1: 6830,1420 7075,1450 10425,1925 10475,1925 10425,1975 10475,1975 11455,1975 11505,1975 11430,1985 11480,1985 11420,2010 10425,2025 10475,2025 8774.13,2030.83 9115.56,2030.83 9456.99,2030.83 10425,2075 10475,2075 5697.14,2080 6380,2080 6721.43,2080 7062.86,2080 5697.14,2105
VCC_3P3_Q0: C31.2 J0.45 J0.51 J0.57 J0.63 J0.69 J0.75 J0.81 J0.87 J0.93 J0.99 J0.105 J0.111 J0.117 J0.123 J0.129 J0.135 J0.141 J0.147 J0.153 J0.159 R8.2 U9.E11 U9.F11 | length 1535.7
  Top Layer w10: J0.159@577.17,810.75 v1(577.16,885) ; J0.153@636.22,810.75 v1(636.22,885) ; J0.147@695.28,810.75 v1(695.28,885) ; J0.141@754.33,810.75 v1(754.33,885) ; J0.135@813.39,810.75 v1(813.39,885) ; J0.129@872.44,810.75 v1(872.44,885) ; J0.123@931.5,810.75 v1(931.5,885) ; J0.117@990.55,810.75 v1(990.55,885) ; J0.111@1049.61,810.75 v1(1049.61,885) ; J0.105@1108.66,810.75 v1(1108.66,885) ; J0.99@1364.57,810.75 v1@1364.57,886 ; J0.93@1423.62,810.75 v1@1423.62,886 ; J0.87@1482.68,810.75 v1@1482.68,886 ; J0.81@1541.73,810.75 v1@1541.73,886 ; J0.75@1600.79,810.75 v1@1600.79,886 ; J0.69@1659.84,810.75 v1@1659.84,886 ; J0.63@1718.9,810.75 v1@1718.9,886 ; J0.57@1777.95,810.75 v1@1777.95,886 ; J0.51@1837.01,810.75 v1@1837.01,886 ; J0.45@1896.06,810.75 v1(1896.06,885) ; R8.2@11063.31,2250 v1(11105,2250)
  other v1: 1364.57,885 1423.62,885 1482.68,885 1541.73,885 1600.79,885 1659.84,885 1718.9,885 1777.95,885 1837.01,885 11420,2210 11405,2235 11430,2235 11370,2260 11395,2260 11420,2260
VCC_3P3_Q1: C30.2 J1.45 J1.51 J1.57 J1.63 J1.69 J1.75 J1.81 J1.87 J1.93 J1.99 J1.105 J1.111 J1.117 J1.123 J1.129 J1.135 J1.141 J1.147 J1.153 J1.159 R7.2 U9.J11 U9.K11 | length 2241.4
  Top Layer w10: J1.159@3877.17,810.75 v1(3877.16,885) ; J1.153@3936.22,810.75 v1(3936.22,885) ; J1.147@3995.28,810.75 v1(3995.28,885) ; J1.141@4054.33,810.75 v1(4054.33,885) ; J1.135@4113.39,810.75 v1(4113.39,885) ; J1.129@4172.44,810.75 v1(4172.44,885) ; J1.123@4231.5,810.75 v1(4231.5,885) ; J1.117@4290.55,810.75 v1(4290.55,885) ; J1.111@4349.61,810.75 v1(4349.61,885) ; J1.105@4408.66,810.75 v1(4408.66,885) ; J1.99@4664.57,810.75 v1@4664.57,886 ; J1.93@4723.62,810.75 v1@4723.62,886 ; J1.87@4782.68,810.75 v1@4782.68,886 ; J1.81@4841.73,810.75 v1@4841.73,886 ; J1.75@4900.79,810.75 v1@4900.79,886 ; J1.69@4959.84,810.75 v1@4959.84,886 ; J1.63@5018.9,810.75 v1@5018.9,886 ; J1.57@5077.95,810.75 v1@5077.95,886 ; J1.51@5137.01,810.75 v1@5137.01,886 ; J1.45@5196.06,810.75 v1(5196.06,886) ; R7.2@11063.31,2160 v1(11140,2160)
  Inner Layer 1 w10: v1(11140,2160) 11140,2500 11180,2540 11340,2540 v1(11420,2460)
  other v1: 4664.57,885 4723.62,885 4782.68,885 4841.73,885 4900.79,885 4959.84,885 5018.9,885 5077.95,885 5137.01,885 11370,2410 11395,2410 11420,2410 11405,2435 11430,2435
VCC_3P3_Q2: C32.2 J2.45 J2.51 J2.57 J2.63 J2.69 J2.75 J2.81 J2.87 J2.93 J2.99 J2.105 J2.111 J2.117 J2.123 J2.129 J2.135 J2.141 J2.147 J2.153 J2.159 R10.2 U9.B11 U9.C11 | length 1833.6
  Top Layer w10: J2.159@7177.17,810.75 v1(7177.16,885) ; J2.153@7236.22,810.75 v1(7236.22,885) ; J2.147@7295.28,810.75 v1(7295.28,885) ; J2.141@7354.33,810.75 v1(7354.33,885) ; J2.135@7413.39,810.75 v1(7413.39,885) ; J2.129@7472.44,810.75 v1(7472.44,885) ; J2.123@7531.5,810.75 v1(7531.5,885) ; J2.117@7590.55,810.75 v1(7590.55,885) ; J2.111@7649.61,810.75 v1(7649.61,885) ; J2.105@7708.66,810.75 v1(7708.66,885) ; J2.99@7964.57,810.75 v1@7964.57,886 ; J2.93@8023.62,810.75 v1@8023.62,886 ; J2.87@8082.68,810.75 v1@8082.68,886 ; J2.81@8141.73,810.75 v1@8141.73,886 ; J2.75@8200.79,810.75 v1@8200.79,886 ; J2.69@8259.84,810.75 v1@8259.84,886 ; J2.63@8318.9,810.75 v1@8318.9,886 ; J2.57@8377.95,810.75 v1@8377.95,886 ; J2.51@8437.01,810.75 v1@8437.01,886 ; J2.45@8496.06,810.75 v1@8496.06,886 ; R10.2@11063.31,2340 11110,2340 11175,2275 v1(11175,2075)
  other v1: 7964.57,885 8023.62,885 8082.68,885 8141.73,885 8200.79,885 8259.84,885 8318.9,885 8377.95,885 8437.01,885 8496.06,885 11420,2060 11405,2085 11430,2085 11370,2110 11395,2110 11420,2110
VCC_3P3_Q3: C29.2 J3.45 J3.51 J3.57 J3.63 J3.69 J3.75 J3.81 J3.87 J3.93 J3.99 J3.105 J3.111 J3.117 J3.123 J3.129 J3.135 J3.141 J3.147 J3.153 J3.159 R6.2 U9.L10 U9.L11 | length 2408.8
  Top Layer w10: J3.159@10477.17,810.75 v1(10477.17,885) ; J3.153@10536.22,810.75 v1(10536.22,885) ; J3.147@10595.28,810.75 v1(10595.28,885) ; J3.141@10654.33,810.75 v1(10654.33,885) ; J3.135@10713.39,810.75 v1(10713.39,885) ; J3.129@10772.44,810.75 v1(10772.44,885) ; J3.123@10831.5,810.75 v1(10831.5,885) ; J3.117@10890.55,810.75 v1(10890.55,885) ; J3.111@10949.61,810.75 v1(10949.61,885) ; J3.105@11008.66,810.75 v1(11008.66,885) ; R6.2@11065.75,2070 v1(11142.44,2070) ; J3.99@11264.57,810.75 v1@11264.57,886 ; J3.93@11323.62,810.75 v1@11323.62,886 ; J3.87@11382.68,810.75 v1@11382.68,886 ; J3.81@11441.73,810.75 v1@11441.73,886 ; J3.75@11500.79,810.75 v1@11500.79,886 ; J3.69@11559.84,810.75 v1@11559.84,886 ; J3.63@11618.9,810.75 v1@11618.9,886 ; J3.57@11677.95,810.75 v1@11677.95,886 ; J3.51@11737.01,810.75 v1@11737.01,886 ; J3.45@11796.06,810.75 v1@11796.06,886
  Inner Layer 1 w10: v1(11142.44,2070) 11142.44,2129.27 11085,2186.72 11085,2473.28 11171.72,2560 11445,2560 v1(11455,2570)
  other v1: 11264.57,885 11323.62,885 11382.68,885 11441.73,885 11500.79,885 11559.84,885 11618.9,885 11677.95,885 11737.01,885 11796.06,885 11480,2535 11455,2545 11505,2545 11480,2560 11505,2570
VCC_12P0_CARD: C33.1 C58.1 J0.46 J0.52 J0.58 J0.64 J0.70 J0.76 J0.82 J0.88 J0.94 J0.100 J0.106 J0.112 J0.118 J0.124 J0.130 J0.136 J0.142 J0.148 J0.154 J1.46 J1.52 J1.58 J1.64 J1.70 J1.76 J1.82 J1.88 J1.94 J1.100 J1.106 J1.112 J1.118 J1.124 J1.130 J1.136 J1.142 J1.148 J1.154 J2.46 J2.52 J2.58 J2.64 J2.70 J2.76 J2.82 J2.88 J2.94 J2.100 J2.106 J2.112 J2.118 J2.124 J2.130 J2.136 J2.142 J2.148 J2.154 J3.46 J3.52 J3.58 J3.64 J3.70 J3.76 J3.82 J3.88 J3.94 J3.100 J3.106 J3.112 J3.118 J3.124 J3.130 J3.136 J3.142 J3.148 J3.154 J8.2 J9.2 R9.1 SW1.1 U9.A8 U9.B8 U9.J1 U9.J2 U9.J3 U9.K1 U9.K2 U9.K3 U9.L1 U9.L2 U9.L3 | length 5947.2
  Top Layer w10: v1(636.22,510) J0.154@636.22,585.25 ; v1(695.28,510) J0.148@695.28,585.25 ; v1(754.33,510) J0.142@754.33,585.25 ; v1(813.39,510) J0.136@813.39,585.25 ; v1(872.44,510) J0.130@872.44,585.25 ; v1(931.5,510) J0.124@931.5,585.25 ; v1(990.55,510) J0.118@990.55,585.25 ; v1(1049.61,510) J0.112@1049.61,585.25 ; v1(1108.66,510) J0.106@1108.66,585.25 ; v1(1364.57,510) J0.100@1364.57,585.25 ; v1(1423.62,510) J0.94@1423.62,585.25 ; v1(1482.68,510) J0.88@1482.68,585.25 ; v1(1541.73,510) J0.82@1541.73,585.25 ; v1(1600.79,510) J0.76@1600.79,585.25 ; v1(1659.84,510) J0.70@1659.84,585.25 ; v1(1718.9,510) J0.64@1718.9,585.25 ; v1(1777.95,510) J0.58@1777.95,585.25 ; v1(1837.01,510) J0.52@1837.01,585.25 ; v1(1896.06,510) J0.46@1896.06,585.25 ; v1(3936.22,510) J1.154@3936.22,585.25 ; v1(3995.28,510) J1.148@3995.28,585.25 ; v1(4054.33,510) J1.142@4054.33,585.25 ; v1(4113.39,510) J1.136@4113.39,585.25 ; v1(4172.44,510) J1.130@4172.44,585.25 ; v1(4231.5,510) J1.124@4231.5,585.25 ; v1(4290.55,510) J1.118@4290.55,585.25 ; v1(4349.61,510) J1.112@4349.61,585.25 ; v1(4408.66,510) J1.106@4408.66,585.25 ; v1(4664.57,510) J1.100@4664.57,585.25 ; v1(4723.62,510) J1.94@4723.62,585.25 ; v1(4782.68,510) J1.88@4782.68,585.25 ; v1(4841.73,510) J1.82@4841.73,585.25 ; v1(4900.79,510) J1.76@4900.79,585.25 ; v1(4959.84,510) J1.70@4959.84,585.25 ; v1(5018.9,510) J1.64@5018.9,585.25 ; v1(5077.95,510) J1.58@5077.95,585.25 ; v1(5137.01,510) J1.52@5137.01,585.25 ; v1(5196.06,510) J1.46@5196.06,585.25 ; v1(7236.22,510) J2.154@7236.22,585.25 ; v1(7295.28,510) J2.148@7295.28,585.25 ; v1(7354.33,510) J2.142@7354.33,585.25 ; v1(7413.39,510) J2.136@7413.39,585.25 ; v1(7472.44,510) J2.130@7472.44,585.25 ; v1(7531.5,510) J2.124@7531.5,585.25 ; v1(7590.55,510) J2.118@7590.55,585.25 ; v1(7649.61,510) J2.112@7649.61,585.25 ; v1(7708.66,510) J2.106@7708.66,585.25 ; v1(7964.57,510) J2.100@7964.57,585.25 ; v1(8023.62,510) J2.94@8023.62,585.25 ; v1(8082.68,510) J2.88@8082.68,585.25 ; v1(8141.73,510) J2.82@8141.73,585.25 ; v1(8200.79,510) J2.76@8200.79,585.25 ; v1(8259.84,510) J2.70@8259.84,585.25 ; v1(8318.9,510) J2.64@8318.9,585.25 ; v1(8377.95,510) J2.58@8377.95,585.25 ; v1(8437.01,510) J2.52@8437.01,585.25 ; v1(8496.06,510) J2.46@8496.06,585.25 ; v1(10536.22,510) J3.154@10536.22,585.25 ; v1(10595.28,510) J3.148@10595.28,585.25 ; v1(10654.33,510) J3.142@10654.33,585.25 ; v1(10713.39,510) J3.136@10713.39,585.25 ; v1(10772.44,510) J3.130@10772.44,585.25 ; v1(10831.5,510) J3.124@10831.5,585.25 ; v1(10890.55,510) J3.118@10890.55,585.25 ; v1(10949.61,510) J3.112@10949.61,585.25 ; v1(11008.66,510) J3.106@11008.66,585.25 ; v1(11264.57,510) J3.100@11264.57,585.25 ; v1(11323.62,510) J3.94@11323.62,585.25 ; v1(11382.68,510) J3.88@11382.68,585.25 ; v1(11441.73,510) J3.82@11441.73,585.25 ; v1(11500.79,510) J3.76@11500.79,585.25 ; v1(11559.84,510) J3.70@11559.84,585.25 ; v1(11618.9,510) J3.64@11618.9,585.25 ; v1(11677.95,510) J3.58@11677.95,585.25 ; v1(11737.01,510) J3.52@11737.01,585.25 ; v1(11796.06,510) J3.46@11796.06,585.25 ; R9.1@11805,2652.56 v1(11805,2690) ; 12740,1410 SW1.1@12815,1485 12875,1425
  other v1: 11605,1865 11605,1890 11605,1915 11605,1940
VCC_12P0_IN: J7.2 R5.2 SW1.2 | length 219.3
  Top Layer w4.71: 12544.25,2310.75 R5.2@12544.25,2530
VIO_B_M2C: P1.J39 P1.K40 | length 71.2
  Bottom Layer w4.71: P1.K40@5625,3554 P1.K40@5625,3554.53 P1.J39@5675,3504.53
VREF_A_M2C: P1.H1
VREF_B_M2C: P1.K1
pads on no net: F1.0 F2.0 F3.0 J0.1 J0.2 J0.3 J0.4 J0.5 J0.6 J0.7 J0.8 J0.9 J0.10 J0.11 J0.12 J0.13 J0.14 J0.15 J0.16 J0.17 J0.18 J0.19 J0.20 J0.21 J0.22 J0.23 J0.24 J0.25 J0.27 J0.29 J0.31 J0.33 J0.34 J0.35 J0.36 J0.37 J0.38 J0.98 J0.101 J0.102 J0.103 J0.104 J0.107 J0.108 J0.109 J0.110 J0.113 J0.114 J0.116 J0.125 J0.126 J0.127 J0.128 J0.132 J0.134 J0.137 J0.138 J0.139 J0.140 J0.143 J0.144 J0.145 J0.146 J0.149 J0.150 J0.151 J0.152 J0.155 J0.156 J0.157 J0.158 J0.160 J0.173 J0.174 J1.1 J1.2 J1.3 J1.4 J1.5 J1.6 J1.7 J1.8 J1.9 J1.10 J1.11 J1.12 J1.13 J1.14 J1.15 J1.16 J1.17 J1.18 J1.19 J1.20 J1.21 J1.22 J1.23 J1.24 J1.25 J1.27 J1.29 J1.31 J1.33 J1.34 J1.35 J1.36 J1.37 J1.38 J1.98 J1.101 J1.102 J1.103 J1.104 J1.107 J1.108 J1.109 J1.110 J1.113 J1.114 J1.116 J1.125 J1.126 J1.127 J1.128 J1.132 J1.134 J1.137 J1.138 J1.139 J1.140 J1.143 J1.144 J1.145 J1.146 J1.149 J1.150 J1.151 J1.152 J1.155 J1.156 J1.157 J1.158 J1.160 J1.173 J1.174 J2.1 J2.2 J2.3 J2.4 J2.5 J2.6 J2.7 J2.8 J2.9 J2.10 J2.11 J2.12 J2.13 J2.14 J2.15 J2.16 J2.17 J2.18 J2.19 J2.20 J2.21 J2.22 J2.23 J2.24 J2.25 J2.27 J2.29 J2.31 J2.33 J2.34 J2.35 J2.36 J2.37 J2.38 J2.98 J2.101 J2.102 J2.103 J2.104 J2.107 J2.108 J2.109 J2.110 J2.113 J2.114 J2.116 J2.125 J2.126 J2.127 J2.128 J2.132 J2.134 J2.137 J2.138 J2.139 J2.140 J2.143 J2.144 J2.145 J2.146 J2.149 J2.150 J2.151 J2.152 J2.155 J2.156 J2.157 J2.158 J2.160 J2.173 J2.174 J3.1 J3.2 J3.3 J3.4 J3.5 J3.6 J3.7 J3.8 J3.9 J3.10 J3.11 J3.12 J3.13 J3.14 J3.15 J3.16 J3.17 J3.18 J3.19 J3.20 J3.21 J3.22 J3.23 J3.24 J3.25 J3.27 J3.29 J3.31 J3.33 J3.34 J3.35 J3.36 J3.37 J3.38 J3.98 J3.101 J3.102 J3.103 J3.104 J3.107 J3.108 J3.109 J3.110 J3.113 J3.114 J3.116 J3.125 J3.126 J3.127 J3.128 J3.132 J3.134 J3.137 J3.138 J3.139 J3.140 J3.143 J3.144 J3.145 J3.146 J3.149 J3.150 J3.151 J3.152 J3.155 J3.156 J3.157 J3.158 J3.160 J3.173 J3.174 J8.3 J9.3 P1.B20 P1.B21 P1.B40 P1.MH1 P1.MH2 SW1.3 U9.K4 U9.K7 U9.L6 U10.10 U10.17 U11.10 U11.17